# Altium PCB TimeDrive.PcbDoc (part 2 of 4) (continued)
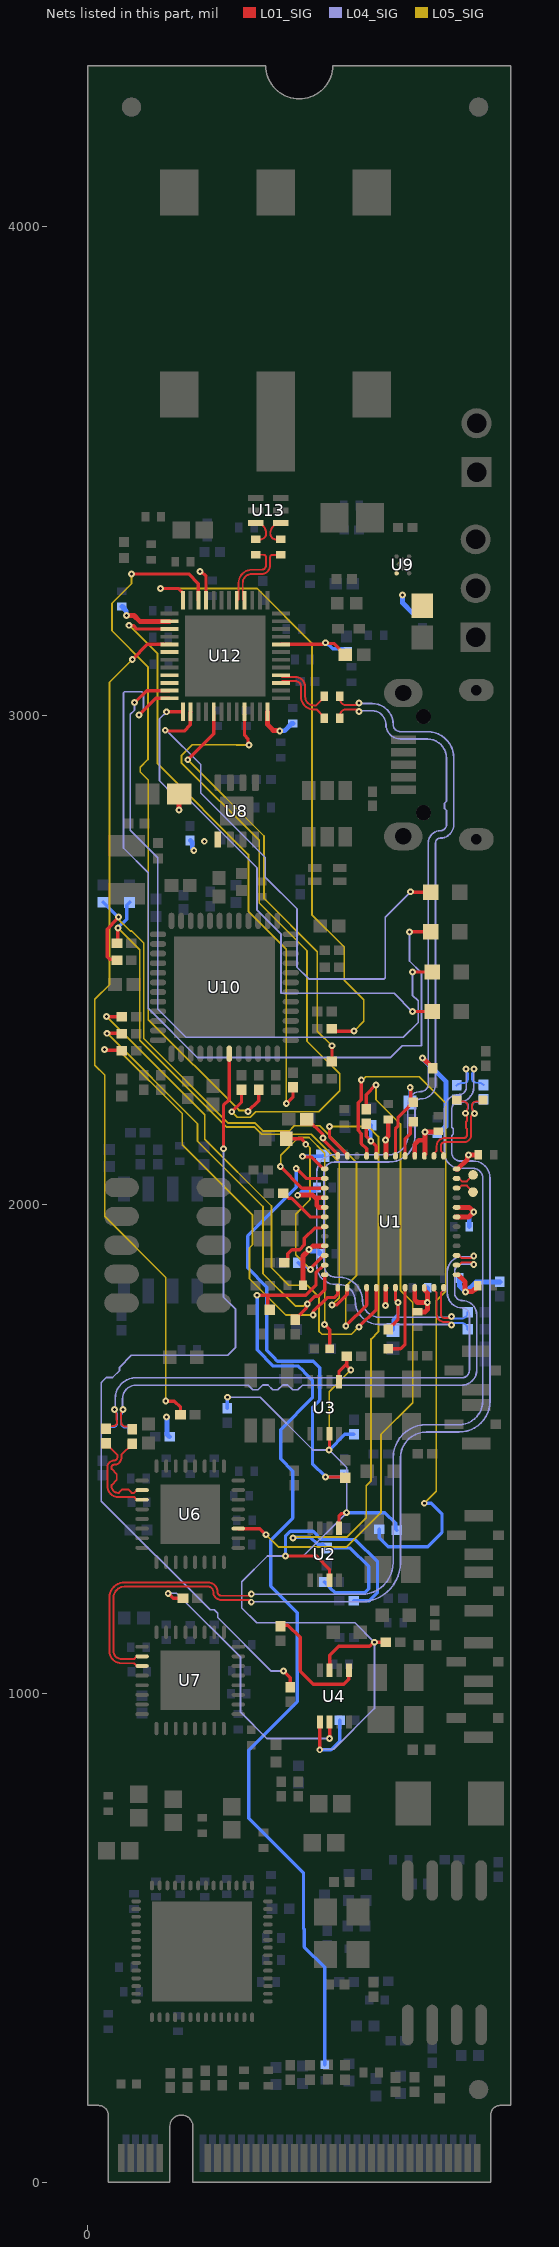
[diagram p8: the nets of this part, all layers, seen from the top]
## Part data (continued)
U10: library part CMP-06276-000052-1, "IC MCU 32BIT 256KB FLASH 48QFN", Case/Package=QFN, Frequency=48MHz, Max Operating Temperature=85°C, Min Operating Temperature=-40°C, Core Architecture=ARM, Interface=I2C, Memory Size=256KB, Memory Type=FLASH, Number of I/Os=38, Oscillator Type=Internal, Packaging=Tray, Peripherals="Brown-out Detect/Reset"
U11: library part CMP-2100-03583-1, "2-Kbit (256 x 8), 2-wire Serial EEPROM with a Factory-Programmed EUI-64(TM)Address Plus an Embedded Unique 128-bit Serial Number, 1.7 to 5.5 V, -40 to 85 degC, 5-Pin SOT23 (5TS1), Tape and Reel", Case/Package=SOT-23, Frequency=1MHz, Manufacturer=Atmel, Max Operating Temperature=85degC, Max Supply Voltage=5.5V, Min Operating Temperature=-40degC, Min Supply Voltage=1.7V, Nominal Supply Current=3mA, Package Description="5-Pin Plastic Thin Shrink Small Outline Package, Body 2.9 x 1.6 mm, Pitch 0.95 mm", Package Quantity=5000, Package Reference=5TS1, Datasheet URL=http://www.atmel.com/Images/Atmel-8807-SEEPROM-AT24MAC402-602-Datasheet.pdf, Datasheet Version="Rev. 8808E, 01/2015", Manufacturer URL=http://www.atmel.com/, Max Frequency=1MHz, Mount=SurfaceMount, Number of Pins=5, Packaging=TapeandReel, Radiation Hardening=No, RoHSCompliant=true
U13: library part CMP-2000-07459-1, "Multilayer Balun, 3000 to 8000 MHz, -40 to 85 degC, 6-Pin SMD, RoHS, Tape and Reel", Case Code (Imperial)=0805, Case Code (Metric)=2012, Manufacturer=TDK, Max Operating Temperature=85degC, Min Operating Temperature=-40degC, Package Description="6-Pin Surface Mount Device, Body 2 x 1.25 mm, Pitch 0.65 mm", Package Quantity=1, Case\/Package=0805, Datasheet URL=https://product.tdk.com/info/en/documents/data_sheet/rf_balun_hhm1595a1_en.pdf, Datasheet Version=04/2015, Impedance=100Ohm, Insertion Loss=1.5dB, Manufacturer URL=http://www.tdk.com/, Mounting Technology=SurfaceMount, Number of Pins=6, Package Reference=HHM1595A1, Packaging=TapeandReel, Radiation Hardening=No, RoHSCompliant=true, Termination=SMD/SMT
U15: library part CMP-0357-00138-1, "16 Mb (x1/x2) Serial NOR Flash Memory with Dual I/O, 75 MHz, 2.3 to 3.6 V, 8-pin SO8 Wide (MW), Tube", Manufacturer=Micron, Package="SO8 WideÂ", Voltage=2.3V-3.6VÂ, Applications=EmbeddedÂ, ComponentLink1Description="Manufacturer URL", ComponentLink1URL=http://www.micron.com/, ComponentLink2Description=Datasheet, ComponentLink2URL=http://www.micron.com/~/media/Documents/Products/Data%20Sheet/NOR%20Flash/Serial%20NOR/M25P/M25P16.pdf, ComponentLink3Description="Package Specification", ComponentLink3URL=http://www.micron.com/~/media/Documents/Products/Data%20Sheet/NOR%20Flash/Serial%20NOR/M25P/M25P16.pdf, DatasheetVersion="Rev. 8", Density=16MbÂ, Mounting Technology="Surface Mount", PackageDescription="8-Pin SO Wide, 5.62 X 6.05 mm, Pitch 1.27 mm", PackageReference=MICT-MW-8, PackageVersion="Rev 8", Part Family=M25PXÂ, Part Status=ProductionÂ, PartNumber=M25PX16-VMW6G, RoHS=YesÂ, Speed="75 MHzÂ", Type="Dual I/OÂ", Width=x1/x2Â
U16: library part CMP-10118-000002-1, "IC INTERFACE SPECIALIZED 8SO", Case/Package=SO, Low Level Output Current=6mA, Max Frequency=400kHz, Max Operating Temperature=85°C, Max Supply Current=65uA, Max Supply Voltage=5.5V, Min Operating Temperature=-40°C, Min Supply Voltage=2.3V, On-State Resistance=55R, Operating Supply Voltage=5V, Package Quantity=1, Power Dissipation=400mW, Contact Plating=Gold, Height=1.45mm, Interface=I2C, Lead Free="Lead Free", Length=5mm, Logic Function=Multiplexer, Mount="Surface Mount", Number of Input Lines=2, Number Of Inputs=2, Number of Output Lines=1, Number Of Outputs=1, Number of Pins=8, Packaging="Tape and Reel", Propagation Delay=0.3ns, Quiescent Current=65uA, Radiation Hardening=No, Weight=0.01787oz, Width=4mm
Y1: library part CMP-06858-000005-1, "CRYSTAL 32.0000MHZ 10PF SMD", Case/Package=SMD/SMT, ESR (Equivalent Series Resistance)=100R, Frequency=52MHz, Frequency Stability=10ppm, Load Capacitance=10pF, Max Operating Temperature=70°C, Min Operating Temperature=-20°C, Package Quantity=3000, Contact Plating=Gold, Frequency Tolerance=10ppm, Height=0.022inch, Length=0.079inch, Mount="Surface Mount", Packaging="Tape and Reel", Series Resistance=100R, Termination=SMD/SMT, Tolerance=10ppm, Width=0.063inch
Y2: library part CMP-2000-05733-2, "CRYSTAL 25.0000MHZ 18PF SMD", Frequency=25MHz, Load Capacitance=18pF, Manufacturer=Abracon, Package=ABM8G, Temperature="-40°C to +85°C", Temperature Range High=+85°C, Temperature Range Low=-40°C, Tolerance=20ppm, Automotive=No, Category=Crys, ComponentLink2Description=Datasheet, ComponentLink2URL=https://abracon.com/Resonators/ABM8G.pdf, Device Class L1="Passive Components", Device Class L2="Crystals / Oscillators", Device Class L3=Crystals, Digikey Description="CRYSTAL 25.0000MHZ 18PF SMD", Esr=60Ω, Height=1mm, Lead Free=Yes, Manufacturer Part Number=ABM8G-25.000MHZ-18-D2Y-T, Mouser Description="Crystals 25.000MHz 18pF 30ppm -40C +85C", Octopart=https://octopart.com/abm8g-25.000mhz-18-d2y-t-abracon-12676602, RoHS=TRUE, Series=ABM8G, Stability=30ppm
Y3: library part CMP-0447-00001-3, "CRYSTAL 32.7680KHZ 12.5PF SMD", Case/Package=CSMD, ESR (Equivalent Series Resistance)=70kR, Frequency=32.768kHz, Frequency Tolerance=20ppm, Load Capacitance=12.5pF, Max Operating Temperature=85°C, Min Operating Temperature=-40°C, Operating Frequency="32.768 kHz", Package Quantity=3000, Depth=1.5mm, Height=0.035inch, Lead Free="Lead Free", Length=3.2mm, Number of Pins=2, Packaging="Tape and Reel", Radiation Hardening=No, REACH SVHC="No SVHC", RoHS Compliant=Yes, Series=ABS07, Series Resistance=70kR, Termination=SMD/SMT, Tolerance=20ppm, Width=0.061inch

## Free pads (board coordinates)
  round 39.37 smd mask+9.84: FID1(90,4245) FID2(800,4245) FID3(800,190) FID3(800,190)
  round 39.37 smd far side mask+9.84: FID4(90,4245) FID5(800,4245) FID6(800,190)

## Via types
v1: diameter 14, hole 6, L01_SIG to L08_SIG, 509 vias
v2: diameter 19.68, hole 7.87, L01_SIG to L08_SIG, tented both sides, 103 vias
v3: diameter 23.62, hole 11.81, L01_SIG to L08_SIG, tented both sides, 25 vias

## Nets (pads, with @x,y where several pads share a name; then routed paths per layer and width w, separated by ;. In a path a pad name is that pad's centre, name@x,y a point inside that pad or via, vN(x,y) a via of type N, cw(c..) or ccw(c..) an arc to the next point about the centre after c; other vN are vias at no path point)
1PPS_0_P: R41.2 U12.29 | length 1748.5
  L01_SIG w6.8: v1(91.6,3115) 122.57,3145.97 U12.29@167.57,3145.97 ; v1(160.05,1598.15) 177.85,1598.15 190.24,1585.76 R41.2@190.24,1570
  L05_SIG w3.6: v1(91.6,3115) 45,3068.4 45,2450 15,2420 15,2285.26 35,2265.26 35,1976 160.05,1850.95 v1(160.05,1598.15)
1PPS_2_P: R28.1 U6.19 | length 1327.6
  L01_SIG w6.8: U6.19@308.43,1337.4 352.6,1337.4 v1(365,1325) ; R28.1@570,2194.76 570,2225 v1(590,2245)
  L05_SIG w3.6: v1(365,1325) 390,1300 530,1300 600,1370 600,1530 665,1595 665,1800 640,1825 640,2165 590,2215 v1(590,2245)
1PPS_3_P: R47.2 U4.2 | length 587
  L01_SIG w6.8: v1(165,1205) 175,1195 R47.2@195.24,1195 ; U4.2@495.16,941.85 v1(495.24,908.1) v1(495.24,908.1)
  L04_SIG w3.6: v1(165,1205) 182,1205 313,1074 313,962 366.9,908.1 v1(495.24,908.1)
1PPS_4_P: R51.2 U4.5 | length 254.2
  L01_SIG w6.8: R51.2@394.68,1137.91 396.77,1140 410,1140 435,1115 435,1046 462,1019 524,1019 534.53,1029.53 U4.5@534.53,1048.15
1PPS_5_P: R53.2 U10.19 | length 1727.5
  L01_SIG w6.8: v1(278.07,2114.43) 278.07,2202.98 289.84,2214.75 U10.19@289.84,2308.86 ; v1(400.86,1046.01) 408.67,1038.2 414.68,1032.18 R53.2@414.68,1012.91
  L04_SIG w3.6: v1(278.07,2114.43) 278.07,1810.71 302.91,1785.87 302.91,1707.99 286.72,1691.8 89.7,1691.8 65.58,1667.67 65.58,1660.92 51.04,1646.38 38.19,1646.38 29.2,1637.39 29.2,1636.95 28.28,1636.03 28.28,1393.64 250.69,1171.23 259.32,1171.23 266.23,1164.32 266.23,1155.69 375.91,1046.01 v1(400.86,1046.01)
BUF_OE_N: R17.2 R18.2 R24.2 R26.2 R60.2 R129.1 R141.2 U2.1 U2.7 U3.1 U3.7 U4.1 U4.7 | length 2671
  L01_SIG w6.8: v1(404.85,1281.48) 467.52,1281.48 494.84,1254.16 U2.7@494.84,1231.85 ; v1(475,885) 475,941.85 U4.1@475.47,941.85 ; v1(494.18,1498.18) 494.84,1498.18 U3.7@494.84,1531.85 ; U4.7@495.16,1048.15 495.16,1078.16 513.99,1096.99 576.84,1096.99 584.85,1105 R141.2@610.24,1105 ; U2.1@514.53,1338.15 514.53,1363.55 519.11,1368.13 528.13,1368.13 v1(530,1370) ; U3.1@514.53,1638.15 514.53,1659.53 530,1675 530,1689.76 R24.2@530.24,1690 530.24,1670.21 v1(538.53,1661.92)
  L04_SIG w3.6: v1(286.01,1606.04) 353.4,1606.04 461.25,1498.18 v1(494.18,1498.18) 530,1462.36 v1(530,1370) 441.48,1281.48 v1(404.85,1281.48) 368.1,1281.48 315.63,1229.02 315.63,1175.06 346.02,1144.68 547.12,1144.68 v1(586.79,1105) 586.79,969.42 503.56,886.19 476.19,886.19 v1(475,885)
  L05_SIG w3.6: v1(494.18,1498.18) 494.18,1617.57 v1(538.53,1661.92)
  L08_SIG w6.8: R129.1@285.5,1583.41 286.01,1583.92 v1(286.01,1606.04) ; v1(404.85,1281.48) 404.85,1322 414.98,1332.12 461.19,1332.12 478.31,1315 547.93,1315 593.24,1269.69 593.24,1207.26 575.98,1190 R18.2@544.76,1190 ; v1(475,885) 498,885 515.95,902.95 R60.2@515.95,945.54 ; v1(494.18,1498.18) 526.24,1530.24 R26.2@545,1530.24 ; v1(530,1370) 608.35,1370 630.28,1348.07 630.28,1336.37 R17.2@632.31,1334.34
DPLL_9513_1PPS_0_N: R37.2 U6.3 | length 195
  L01_SIG w4: R37.2@37.82,1512.14 37.82,1511.16 60.9,1488.07 60.9,1482.94 cw(c54.69,1482.94) 54.69,1476.72 ccw(c54.69,1462.61) 40.57,1462.61 40.57,1424.37 ccw(c62.9,1424.37) 62.9,1402.05 95.11,1402.05 100.7,1396.46 U6.3@111.57,1396.46
DPLL_9513_1PPS_0_P: R34.2 U6.2 | length 194.7
  L01_SIG w4: R34.2@91.2,1511.13 91.2,1510.15 69.4,1488.35 69.4,1482.94 cw(c54.69,1482.94) 54.69,1468.22 ccw(c54.69,1462.61) 49.07,1462.61 49.07,1459.66 59.72,1449.01 59.72,1437.01 49.07,1426.37 49.07,1424.37 ccw(c62.9,1424.37) 62.07,1410.57 ccw(c62.9,1424.37) 62.9,1410.55 64.07,1410.55 71.07,1417.55 83.07,1417.55 90.07,1410.55 95.11,1410.55 100.7,1416.14 U6.2@111.57,1416.14
DPLL_9513_1PPS_1_N: R138.2 U7.3 | length 2121.3
  L01_SIG w4: U7.3@111.5,1056.46 100.62,1056.46 95.03,1062.05 69.48,1062.05 cw(c69.48,1086.77) 44.75,1086.77 44.75,1196.05 cw(c75.99,1196.05) 75.99,1227.29 246.36,1227.29 cw(c246.36,1207.87) 265.77,1207.87 ccw(c273.6,1207.87) 273.6,1200.05 331.17,1200.05 ccw(c331.17,1203.88) v1(335,1203.88)
  L04_SIG w3.5: v1(335,1203.88) ccw(c336,1203.88) 336,1202.88 559.88,1202.88 ccw(c559.88,1268.04) 625.05,1268.04 625.05,1482.1 cw(c692.8,1482.1) 692.8,1549.85 759.65,1549.85 ccw(c759.65,1598.59) 808.4,1598.59 808.4,2054.34 ccw(c788.42,2054.34) 788.42,2074.32 762.25,2074.32 cw(c762.25,2106.57) 730,2106.57 730,2194.99 cw(c760.46,2194.99) 760.46,2225.44 ccw(c760.46,2239.76) 774.78,2239.76 774.78,2276.3 ccw(c773.78,2276.3) v1(773.78,2277.3)
  L08_SIG w4: R138.2@755,2244.18 cw(c766.62,2232.57) 766.62,2248.99 770.11,2248.99 ccw(c770.11,2256.99) 775.76,2251.33 ccw(c770.11,2256.99) 778.11,2256.99 778.11,2267.21 ccw(c770.72,2267.21) 775.94,2272.43 775.69,2272.68 cw(c780.31,2277.3) v1(773.78,2277.3)
DPLL_9513_1PPS_1_P: R38.2 U7.2 | length 2121.1
  L01_SIG w4: U7.2@111.5,1076.14 100.62,1076.14 95.03,1070.55 69.48,1070.55 cw(c69.48,1086.77) 53.25,1086.77 53.25,1196.05 cw(c75.99,1196.05) 75.99,1218.79 246.36,1218.79 cw(c246.36,1207.87) 257.27,1207.87 ccw(c273.6,1207.87) 273.6,1191.55 330.33,1191.55 cw(c330.33,1186.88) v1(335,1186.88)
  L04_SIG w3.5: v1(335,1186.88) cw(c336,1186.88) 336,1187.88 559.88,1187.88 ccw(c559.88,1268.04) 640.05,1268.04 640.05,1482.1 cw(c692.8,1482.1) 692.8,1534.85 759.65,1534.85 ccw(c759.65,1598.59) 823.4,1598.59 823.4,2054.34 ccw(c788.42,2054.34) 788.42,2089.32 762.25,2089.32 cw(c762.25,2106.57) 745,2106.57 745,2127.85 745,2141.15 748.29,2144.44 748.29,2154.94 745,2158.23 745,2159.98 745,2194.99 cw(c760.46,2194.99) 760.46,2210.44 ccw(c760.46,2239.76) 789.78,2239.76 789.78,2276.3 cw(c790.78,2276.3) v1(790.78,2277.3)
  L08_SIG w4: v1(790.78,2277.3) cw(c784.25,2277.3) 788.87,2272.68 788.69,2272.51 ccw(c793.73,2267.47) 786.61,2267.47 786.61,2257.35 ccw(c794.61,2257.35) 788.95,2251.7 ccw(c794.61,2257.35) 794.61,2249.35 798.92,2249.35 cw(c798.92,2233.69) R38.2@810,2244.76
DPLL_CSB: R64.1 U1.5 | length 1062
  L01_SIG w6.8: v1(39.07,2384.64) 70.19,2384.64 R64.1@70.24,2384.68 ; v1(555,1750) 590.47,1785.47 U1.5@590.47,1830.16
  L05_SIG w3.6: v1(39.07,2384.64) 240,2183.71 240,2133.52 376.21,1997.31 376.21,1871.14 411.94,1835.41 449.59,1835.41 473.2,1811.8 473.2,1779.34 473.41,1779.13 473.41,1769.35 473.2,1769.14 473.2,1741.31 479.51,1735 540,1735 v1(555,1750)
DPLL_LDO0: C15.2 C17.1 U1.7 | length 156.2
  L01_SIG w6.8: C15.2@615,1744.68 635,1764.68 v1(635,1800) 629.84,1805.16 U1.7@629.84,1830.16
  L08_SIG w6.8: C17.1@625,1743.84 625,1765 635,1775 v1(635,1800)
DPLL_LDO1: C16.2 C18.1 U1.30 | length 188.9
  L01_SIG w6.8: U1.30@629.84,2099.84 629.84,2154.84 635,2160 635,2178.04 C16.2@666.16,2209.2 661.38,2213.99 661.38,2238.62 v1(660,2240)
  L08_SIG w6.8: C18.1@660,2208.84 v1(660,2240)
DPLL_LF0: C15.1 U1.8 | length 154
  L01_SIG w6.8: C15.1@615,1705.32 640.32,1705.32 649.53,1714.53 U1.8@649.53,1830.16
DPLL_LF1: C16.1 U1.29 | length 76.9
  L01_SIG w6.8: U1.29@649.53,2099.84 649.53,2134.53 660,2145 660,2163.67 C16.1@666.16,2169.83
DPLL_M0: R28.2 R29.2 U1.32 | length 106.2
  L01_SIG w6.8: R28.2@570,2165.24 570,2139.47 v1(579.45,2130) ; v1@580,2130 590.47,2119.53 U1.32@590.47,2099.84
  L08_SIG w6.8: v1(579.45,2130) 579.45,2161.73 R29.2@580,2162.28
DPLL_M1: R20.1 U1.33 | length 1448
  L01_SIG w6.8: v1(560,2255) 560,2214.48 553.76,2208.24 553.76,2151.76 560,2145.52 560,2125 570.79,2114.21 U1.33@570.79,2099.84
  L05_SIG w3.6: v1(560,2255) 562.64,2255 569.42,2261.78 678.22,2261.78 732.84,2207.16 732.84,1822.84 713.28,1803.28 713.28,1413.77 v1(688.84,1389.32)
  L08_SIG w6.8: R20.1@596.78,1336.03 596.78,1318.57 615.35,1300 695.67,1300 725,1329.33 725,1367.52 703.2,1389.32 v1(688.84,1389.32)
DPLL_M2: R16.1 R19.2 U1.35 | length 1470
  L01_SIG w6.8: v1(495,2160) 495,2138.39 531.42,2101.97 U1.35@531.42,2099.84
  L05_SIG w3.6: v1(420.26,1318.46) 421.8,1320 530,1320 570,1360 570,1425 580,1435 580,1725 595,1740 595,2139.2 574.2,2160 v1(495,2160)
  L08_SIG w6.8: v1(420.26,1318.46) 421.64,1319.84 443.99,1319.84 444.15,1320 455.87,1320 470.72,1305.14 481.55,1305.14 R16.1@488.98,1297.72 537.28,1297.72 575,1260 575,1214.21 567.03,1206.24 528.71,1206.24 506.19,1206.24 496.73,1215.7 496.73,1216.87 485.42,1228.19 R19.2@484.43,1228.19
DPLL_M3: R7.1 U1.36 | length 102.7
  L01_SIG w6.8: R7.1@449.69,2175 481.65,2143.04 v1(481.6,2136.49) v1(481.6,2136.49) ; v1@481.65,2138.35 482.98,2137.02 482.98,2131.55 510.74,2103.79 510.74,2100.84 U1.36@511.73,2099.84
DPLL_M4: R8.1 U1.37 | length 98
  L01_SIG w6.8: v1(439.77,2098.96) 441.14,2097.59 457.89,2097.59 482.2,2073.27 U1.37@485.16,2073.27
  L08_SIG w6.8: v1(439.77,2098.96) 480.26,2098.96 R8.1@481.3,2100
DPLL_M5: R66.1 U1.1 | length 896.6
  L01_SIG w6.8: v1(34.48,2317.04) 35.66,2315.86 69.06,2315.86 R66.1@70.24,2314.68 ; v1(461.61,1774.24) 461.61,1781.61 490,1810 505,1810 511.73,1816.73 U1.1@511.73,1830.16
  L05_SIG w3.6: v1(34.48,2317.04) 62.9,2317.04 193.58,2186.37 193.58,2122.22 337.69,1978.11 337.69,1918.43 331.25,1912 331.25,1848.75 405.76,1774.24 v1(461.61,1774.24)
DPLL_OUT_0A_N: C26.2 R33.1 U1.12 | length 1998.5
  L01_SIG w4: C26.2@515.75,3040 515.75,3035.78 ccw(c529.78,3035.78) 529.78,3021.75 550.75,3021.75 ccw(c550.75,3026) v1(555,3026) ; U1.12@728.27,1830.16 728.27,1825.62 722.68,1820.03 722.68,1775.64 ccw(c729.93,1775.64) 729.93,1768.38 742.03,1768.38 ccw(c742.03,1771) v1(744.65,1771)
  L04_SIG w3.5: v1(555,3026) ccw(c555.75,3026) 555.75,3025.25 581.9,3025.25 cw(c581.9,2981.82) 625.34,2981.82 ccw(c639.64,2981.82) 639.64,2967.52 695.24,2967.52 cw(c695.24,2913.49) 749.26,2913.49 749.26,2777.62 cw(c721.45,2777.62) 721.45,2749.8 ccw(c721.45,2740.28) 711.92,2740.28 711.92,2246.8 cw(c681.61,2246.8) 681.61,2216.48 ccw(c681.61,2204.64) 669.76,2204.64 669.76,2139.76 cw(c617.2,2139.76) 617.2,2087.2 504.92,2087.2 ccw(c504.92,2066.12) 483.84,2066.12 483.84,1876.02 ccw(c508.26,1876.02) 508.26,1851.6 514.38,1851.6 cw(c514.38,1803.6) 562.38,1803.6 ccw(c595.98,1803.6) 595.98,1770 743.65,1770 ccw(c743.65,1771) v1(744.65,1771)
  L08_SIG w4: v1(744.65,1771) ccw(c748.9,1771) 748.9,1766.75 764.03,1766.75 ccw(c764.03,1780) R33.1@777.28,1780
DPLL_OUT_0A_P: C25.2 R32.2 U1.11 | length 2011.2
  L01_SIG w4: C25.2@515.75,2995 515.75,2999.22 cw(c529.78,2999.22) 529.78,3013.25 550.75,3013.25 cw(c550.75,3009) v1(555,3009) ; U1.11@708.58,1830.16 708.58,1825.62 714.18,1820.03 714.18,1775.64 ccw(c729.93,1775.64) 729.93,1759.88 738.77,1759.88 cw(c738.77,1758) v1@740.65,1758
  L04_SIG w3.5: v1(555,3009) cw(c556.25,3009) 556.25,3010.25 581.9,3010.25 cw(c581.9,2981.82) 610.34,2981.82 ccw(c639.64,2981.82) 639.64,2952.52 695.24,2952.52 cw(c695.24,2913.49) 734.26,2913.49 734.26,2853.42 734.26,2825.14 730.13,2821.01 730.13,2810.51 734.26,2806.38 734.26,2804.63 734.26,2777.62 cw(c721.45,2777.62) 721.45,2764.8 ccw(c721.45,2740.28) 696.92,2740.28 696.92,2246.8 cw(c681.61,2246.8) 681.61,2231.48 ccw(c681.61,2204.64) 654.76,2204.64 654.76,2139.76 cw(c617.2,2139.76) 617.2,2102.2 504.92,2102.2 ccw(c504.92,2066.12) 468.84,2066.12 468.84,1876.02 ccw(c508.26,1876.02) 508.26,1836.6 514.38,1836.6 cw(c514.38,1803.6) 547.38,1803.6 ccw(c595.98,1803.6) 595.98,1755 743.65,1755 cw(c743.65,1754) v1(744.65,1754)
  L08_SIG w4: v1(744.65,1754) cw(c748.9,1754) 748.9,1758.25 764.03,1758.25 cw(c764.03,1745) R32.2@777.28,1745
DPLL_OUT_0B_N: R36.1 R37.1 U1.15 | length 1228.8
  L01_SIG w4: R37.1@37.82,1541.67 cw(c50.69,1528.79) 50.69,1547 52.47,1547 ccw(c52.47,1555) 58.13,1549.34 ccw(c52.47,1555) 60.47,1555 60.47,1557.64 ccw(c58.85,1557.64) 60,1558.79 cw(c61.14,1559.93) 59.52,1559.93 59.52,1570.71 ccw(c51.55,1570.71) 57.19,1576.36 cw(c61.81,1580.97) v1(55.27,1580.97) ; U1.15@754.84,1896.1 759.38,1896.1 764.97,1890.51 785.75,1890.51 ccw(c785.75,1894.76) v1(790,1894.76)
  L04_SIG w3.5: v1(55.27,1580.97) ccw(c55.27,1582.18) 56.48,1582.18 56.48,1603.18 cw(c99.13,1603.18) 99.13,1645.84 99.2,1645.84 739.55,1645.84 765.47,1645.84 ccw(c765.47,1661.48) 781.12,1661.48 781.12,1774.17 ccw(c766.46,1774.17) 766.46,1788.83 cw(c766.46,1819.34) 735.95,1819.34 735.95,1862.84 cw(c766.87,1862.84) 766.87,1893.76 789,1893.76 ccw(c789,1894.76) v1(790,1894.76)
  L08_SIG w4: R36.1@37.82,1541.67 cw(c45.5,1533.99) 45.5,1544.85 52.47,1544.85 ccw(c52.47,1552.85) 58.13,1547.19 ccw(c52.47,1552.85) 60.47,1552.85 60.47,1556.16 60.26,1556.37 60.26,1570.93 ccw(c54.59,1570.93) 58.61,1574.93 v1@57.19,1576.36
DPLL_OUT_0B_P: R34.1 R35.1 U1.14 | length 1229.2
  L01_SIG w4: v1(72.27,1580.97) cw(c65.74,1580.97) 70.36,1576.36 ccw(c76,1570.71) 68.02,1570.71 68.02,1563.45 ccw(c69.64,1563.45) 68.5,1562.31 cw(c67.35,1561.16) 68.97,1561.16 68.97,1554.41 ccw(c76.97,1554.41) 71.31,1548.75 ccw(c76.97,1554.41) 76.97,1546.41 77.32,1546.41 cw(c77.32,1526.78) R34.1@91.2,1540.66 ; U1.14@754.84,1876.42 759.38,1876.42 764.97,1882.01 785.75,1882.01 cw(c785.75,1877.76) v1(790,1877.76)
  L04_SIG w3.5: v1(72.27,1580.97) cw(c72.27,1581.77) 71.48,1581.77 71.48,1603.18 cw(c99.13,1603.18) 99.13,1630.84 326.98,1630.84 328.73,1630.84 338.22,1621.35 348.72,1621.35 358.56,1631.19 369.06,1631.19 378.9,1621.35 389.4,1621.35 399.24,1631.19 409.74,1631.19 419.58,1621.35 430.08,1621.35 439.57,1630.84 449.57,1630.84 739.55,1630.84 765.47,1630.84 ccw(c765.47,1661.48) 796.12,1661.48 796.12,1774.17 ccw(c766.46,1774.17) 766.46,1803.83 cw(c766.46,1819.34) 750.95,1819.34 750.95,1862.84 cw(c766.87,1862.84) 766.87,1878.76 789,1878.76 cw(c789,1877.76) v1(790,1877.76)
  L08_SIG w4: v1@70.36,1576.36 70.36,1574.78 cw(c64.91,1574.78) 68.76,1570.93 68.76,1559.89 68.97,1559.68 68.97,1552.26 ccw(c76.97,1552.26) 71.31,1546.6 ccw(c76.97,1552.26) 76.97,1544.26 82.52,1544.26 cw(c82.52,1531.98) R35.1@91.2,1540.66
DPLL_OUT_1A_N: R40.1 R138.1 U1.26 | length 236
  L01_SIG w4: U1.26@708.58,2099.84 708.58,2104.38 714.18,2109.97 714.18,2120.2 cw(c730.32,2120.2) 730.32,2136.35 769.57,2136.35 ccw(c769.57,2142.91) 776.14,2142.91 776.14,2153.06 776.14,2155.06 773.97,2157.23 773.97,2169.23 776.14,2171.4 776.14,2173.4 776.14,2183.62 ccw(c772.79,2183.62) v1(772.79,2186.96) cw(c779.33,2186.96) 774.71,2191.58 ccw(c767.49,2198.8) 777.7,2198.8 777.7,2202.6 ccw(c769.7,2202.6) 775.35,2208.25 ccw(c769.7,2202.6) 769.7,2210.6 763.34,2210.6 cw(c763.34,2222.07) R40.1@755.23,2213.96
  L08_SIG w4: R138.1@754.97,2214.62 ccw(c766.05,2225.69) 766.05,2210.03 770.36,2210.03 cw(c770.36,2202.03) 776.02,2207.68 cw(c770.36,2202.03) 778.36,2202.03 778.36,2200.29 cw(c766.17,2200.29) 774.79,2191.67 774.71,2191.58 ccw(c779.33,2186.96) v1(772.79,2186.96)
DPLL_OUT_1A_P: R38.1 R39.1 U1.25 | length 236.6
  L01_SIG w4: U1.25@728.27,2099.84 728.27,2104.38 722.68,2109.97 722.68,2120.2 cw(c730.32,2120.2) 730.32,2127.85 769.57,2127.85 ccw(c769.57,2142.91) 784.64,2142.91 784.64,2179.75 cw(c791.45,2179.75) v1(791.45,2186.56) ccw(c784.92,2186.56) 789.54,2191.18 cw(c797.62,2199.26) 786.2,2199.26 786.2,2202.64 cw(c794.2,2202.64) 788.54,2208.3 cw(c794.2,2202.64) 794.2,2210.64 800.43,2210.64 ccw(c800.43,2222.24) R39.1@808.63,2214.04
  L08_SIG w4: v1(791.45,2186.56) ccw(c784.92,2186.56) 789.54,2191.18 cw(c796.01,2197.65) 786.86,2197.65 786.86,2202.39 cw(c794.86,2202.39) 789.21,2208.05 cw(c794.86,2202.39) 794.86,2210.39 798.3,2210.39 ccw(c798.3,2226.93) R38.1@810,2215.24
DPLL_OUT_1B_N: TP1.1 U1.23 | length 42.2
  L01_SIG w4: U1.23@754.84,2053.58 759.38,2053.58 765.43,2047.53 776.02,2047.53 788.54,2060.06 TP1.1@788.54,2060.83
DPLL_OUT_1B_P: TP2.1 U1.22 | length 41.7
  L01_SIG w4: U1.22@754.84,2033.9 759.38,2033.9 764.5,2039.03 775.92,2039.03 788.45,2026.5 TP2.1@788.45,2025.72
DPLL_REFA: R30.2 R31.2 U1.47 | length 2044.2
  L01_SIG w6.8: v1(346.89,1814.76) 347.16,1815.03 358.69,1815.03 ; 358.92,1814.8 368.51,1814.8 ; R31.2@372.72,1785 368.51,1789.21 368.51,1814.8 ; U1.47@485.16,1875.43 482.04,1875.43 467.14,1860.53 467.14,1835.31 454.85,1823.02 454.85,1822.83 446.82,1814.8 368.51,1814.8
  L08_SIG w6.8: v1(346.89,1814.76) 346.89,1703.11 380,1670 430.89,1670 440.86,1660.03 441.05,1660.03 444.8,1656.28 444.8,1656.09 460,1640.89 460,1605 395,1540 395,1480 420,1455 420,1359.1 375,1314.1 375,1220 429.29,1165.71 429.29,983.7 330,884.42 330,745 441.59,633.41 441.59,519.8 443.47,517.93 443.47,481.53 485,440 R30.2@485,240.75
DPLL_REFAA: R139.1 R140.2 U1.46 | length 403.4
  L01_SIG w6.8: R139.1@406.65,2135 438.93,2135 438.93,2132.85 446.33,2125.44 v1(446.33,2123.49) ; v1(455.75,1867.58) 455.75,1868.82 482.45,1895.52 U1.46@484.76,1895.52
  L05_SIG w3.6: v1(446.33,2123.49) 447.6,2123.49 455,2116.09 455,2010 425.73,1980.73 425.73,1897.6 v1(455.75,1867.58)
  L08_SIG w6.8: R140.2@430.97,1881.33 438.4,1873.91 447.48,1873.91 453.8,1867.58 v1(455.75,1867.58)
DPLL_REFB: R23.1 R25.2 U1.38 | length 942
  L01_SIG w6.8: v1(426.78,2074.32) 447.51,2053.58 U1.38@485.16,2053.58 ; v1(486.91,1443.03) 525.62,1443.03 R23.1@527.03,1441.62
  L08_SIG w6.8: v1(426.78,2074.32) 426.78,2035.18 327.53,1935.93 327.53,1870.61 366.6,1831.55 366.6,1702.18 379.8,1688.98 379.8,1688.42 388.42,1679.8 461.48,1679.8 475,1666.28 475,1600 460,1585 460,1469.94 v1(486.91,1443.03) 518.78,1443.03 R25.2@525,1449.25
DPLL_REFBB: R27.1 U1.39 | length 655.4
  L01_SIG w6.8: v1(394.26,2078.31) 438.66,2033.9 U1.39@485.16,2033.9 ; v1(485,1755) 495.75,1744.25 R27.1@495.75,1705
  L05_SIG w3.6: v1(394.26,2078.31) 395.03,2079.08 395.03,2100.91 431.51,2137.39 453,2137.39 485.02,2105.38 v1(485,1755)
DPLL_RESETB: R12.1 R65.1 U1.48 | length 893.9
  L01_SIG w6.8: v1(40.01,2350.52) 69.4,2350.52 R65.1@70.24,2349.68 ; R12.1@425,1764.76 425,1765.75 447.66,1788.41 447.66,1795.27 464.82,1812.43 471.73,1812.43 485.16,1825.86 U1.48@485.16,1855.75
  L05_SIG w3.6: v1(40.01,2350.52) 225,2165.54 225,2130 358.69,1996.31 358.69,1859.13 424.94,1792.88 442.34,1792.88 446.59,1797.13 v1(449.53,1797.13)
DPLL_SCLK: R59.1 R70.1 U1.2 | length 1205.9
  L01_SIG w6.8: R59.1@60.24,2535 62.01,2536.77 v1(62.01,2566.03) ; v1(500,1795) 510,1795 531.42,1816.42 U1.2@531.42,1830.16
  L05_SIG w3.6: v1(62.01,2566.03) 106.85,2521.19 106.85,2336.3 284.43,2158.72 341.73,2158.72 356.6,2143.85 414.79,2143.85 414.93,2143.99 457.41,2143.99 515,2086.4 515,1810 v1(500,1795)
  L08_SIG w6.8: v1(62.01,2566.03) 80,2584.03 80,2612.33 R70.1@86.09,2618.43
DPLL_SDIO: R63.1 R72.1 U1.4 | length 1412.3
  L01_SIG w6.8: R63.1@60.24,2499.02 57.53,2501.72 45.52,2501.72 40,2507.24 40,2563.79 61.18,2584.96 v1@61.18,2586.17 ; v1(528.24,1752.12) 570.79,1794.67 U1.4@570.79,1829.17
  L05_SIG w3.6: v1@61.18,2586.17 87.67,2559.67 90.49,2559.67 115,2535.16 115,2339.92 288.01,2166.91 343.09,2166.91 359.55,2150.45 412.06,2150.45 423.18,2161.57 474.79,2161.57 550,2086.37 550,1855 528.24,1833.24 v1(528.24,1752.12)
  L08_SIG w6.8: R72.1@31.93,2618.59 32.01,2618.59 62.06,2588.54 v1(63.11,2588.54)
DPLL_VDD: C1.2 C2.2 C3.2 C6.2 C7.1 C8.2 C9.1 C10.1 C11.1 C12.2 C13.2 C14.2 C130.1 C131.1 R103.1 R107.1 R118.1 U1.6 U1.9 U1.10 U1.13 U1.19 U1.20 U1.24 U1.27 U1.28 U1.31 U1.40 U1.41 U1.45 U8.1 | length 1366.8
  L01_SIG w10: v1(186.88,2807.49) 186.88,2839.31 C130.1@187.57,2840 ; v1@428.94,2018.4 430.55,2020 460,2020 465.79,2014.21 ; C3.2@440.57,1835.32 440.57,1839.99 440.75,1840.16 440.75,1894.95 452.94,1907.14 v1(452.94,1908.22) ; v1@453.52,1907.64 453.52,1907.73 461.5,1915.71 485.08,1915.71 U1.45@485.16,1915.79 ; U1.41@485.16,1994.53 485.08,1994.61 472.81,1994.61 468.84,1998.57 468.84,2011.16 465.79,2014.21 ; U1.40@485.16,2014.21 465.79,2014.21 ; v1(609.61,2132.17) 609.61,2134.81 v1@610,2135.2 ; v1(609.73,1793.81) 609.94,1794.02 609.94,1828.96 U1.6@610.16,1829.17 ; U1.31@610.16,2099.84 610.16,2132.17 610,2132.17 v1@610,2135.2 ; C11.1@615,2174.25 615,2140.2 v1@610,2135.2 ; U1.9@669.21,1830.16 669.21,1805.79 675,1800 v1(695,1800) ; U1.28@669.21,2098.86 U1.28@669.21,2099.84 669.29,2099.92 669.29,2123.65 677.49,2131.85 687.76,2131.85 690.16,2134.24 ; C8.2@675,1780.75 690.75,1780.75 695,1785 v1(695,1800) ; v1(685.17,2299.96) 686.06,2299.96 705.94,2280.08 R118.1@705.94,2279.09 ; U1.10@688.9,1830.16 688.9,1825.69 695,1819.59 v1(695,1800) ; U1.27@688.98,2102.72 690.16,2103.9 690.16,2134.24 ; C9.1@715,2149.25 714.54,2148.8 690.8,2148.8 v1(690.34,2148.34) 690.16,2148.16 690.16,2134.24 ; U1.19@754.84,1974.84 779.84,1974.84 v1(790,1985) 780.47,1994.53 U1.20@754.84,1994.53 ; U1.24@754.84,2073.27 757.64,2073.27 776.57,2092.2 776.57,2101.05 778.13,2101.05 v1(778.89,2101.81) 799.45,2101.81 C7.1@799.45,2102.18 ; U1.13@757.72,1856.65 772.35,1842.02 772.35,1822.28 v1(773.12,1821.52) 773.68,1822.08 786.49,1822.08 790.56,1826.14 792.52,1826.14 798.27,1831.89 C12.2@798.27,1833.86
  L08_SIG w10: v1(161.6,1565.94) 162.37,1565.17 162.37,1530.15 167.21,1525.31 R107.1@167.77,1525.31 ; C131.1@210,2745.1 214.3,2740.8 214.3,2728.67 217.39,2725.57 v1(217.39,2724.49) ; v1(429.85,2019.3) 431.79,2019.3 441.05,2028.56 464.78,2028.56 469.25,2033.03 C1.2@469.25,2035 ; v1(452.94,1908.22) 454.02,1908.22 457.4,1904.84 471.38,1904.84 474.25,1901.97 C2.2@474.25,1900 ; v1(685.17,2299.96) 732.84,2252.29 732.84,2160.13 719.84,2147.13 692.63,2147.13 691.42,2148.34 v1(690.34,2148.34) ; v1(695,1800) 695.37,1800.37 695.37,1829.63 C6.2@695.75,1830 ; C13.2@760.75,1850 760.75,1833.89 v1(773.12,1821.52) 774.2,1821.52 794.84,1842.16 R103.1@843.44,1842.16 ; C14.2@780.75,1955 780.75,1975.34 790,1984.59 v1(790,1985)
  other v1: 238.88,2743.18
DPLL_XOA: R14.1 U1.42 | length 105.4
  L01_SIG w6.8: R14.1@399.97,2023.55 400.95,2023.55 411.64,2012.86 417.34,2012.86 455.35,1974.84 U1.42@485.16,1974.84
DPLL_XOB: R15.2 U1.43 | length 128.3
  L01_SIG w6.8: R15.2@402.43,1881.33 403.41,1881.33 409.85,1887.78 409.85,1899.63 418.21,1907.98 433.75,1907.98 443.46,1917.7 443.46,1931.4 464.27,1952.21 478.43,1952.21 481.38,1955.16 U1.43@485.16,1955.16
DW1000_38P4MHz_CLK_N: C26.1 U12.4 | length 141.2
  L01_SIG w4: U12.4@395.91,3082.98 ccw(c399.54,3082.98) 399.54,3079.35 425.39,3079.35 cw(c425.39,3059.59) 445.16,3059.59 445.16,3039.06 ccw(c462.82,3039.06) 462.82,3021.4 467.62,3021.4 484.25,3038.03 C26.1@484.25,3040
DW1000_38P4MHz_CLK_P: C25.1 U12.3 | length 140.9
  L01_SIG w4: U12.3@395.91,3067.23 cw(c399.54,3067.23) 399.54,3070.85 425.39,3070.85 cw(c425.39,3059.59) 436.66,3059.59 436.66,3039.06 ccw(c462.82,3039.06) 462.82,3012.9 468.32,3012.9 484.25,2996.97 C25.1@484.25,2995
DW1000_CLKTUNE: C68.1 R91.1 U12.8 | length 195.7
  L01_SIG w6.8: U12.8@395.91,3145.97 481.44,3145.97 484.8,3149.33 v1(486.75,3149.33) 488.13,3147.95 503.66,3147.95 526.61,3125 R91.1@527.6,3125
  L08_SIG w6.8: v1(486.75,3149.33) 488.7,3149.33 501.19,3136.84 522.13,3136.84 530,3128.97 C68.1@530,3128.13
DW1000_EXTON: U12.21 | length 64.9
  L01_SIG w6.8: v1(230.22,3294.98) 232.59,3294.98 242.37,3285.21 U12.21@242.37,3236.52
DW1000_FORCEON: R71.1 U12.22 | length 1485.2
  L01_SIG w6.8: v1(90,3290) 207.05,3290 226.62,3270.43 U12.22@226.62,3236.52 ; v1(328.06,2190.76) 350,2212.7 R71.1@350,2234.92
  L05_SIG w3.6: v1(90,3290) 90,3269.98 50,3229.98 50,3173.75 123.5,3100.25 123.5,2910.65 107.88,2895.02 107.88,2884.98 124.24,2868.61 124.24,2378.48 309.98,2192.75 326.07,2192.75 v1(328.06,2190.76)
DW1000_GPIO0: D4.2 U12.38 | length 1112
  L01_SIG w6.8: v1(158.99,2970.34) 160.94,2970.34 162.44,2968.84 197.58,2968.84 210.34,2981.59 210.34,3007.64 U12.38@210.87,3008.17 ; v1(660.75,2640) 661.78,2638.97 D4.2@701.93,2638.97
  L04_SIG w3.6: v1(158.99,2970.34) 161.35,2970.34 231.46,2900.23 231.46,2842.13 363.49,2710.1 363.49,2669.82 428.37,2604.94 428.37,2486 452.54,2461.83 606.84,2461.83 608.95,2463.93 608.95,2588.2 v1(660.75,2640)
DW1000_GPIO1: D6.2 U12.37 | length 1055.4
  L01_SIG w6.8: v1(161.73,3008.11) 195.06,3008.11 U12.37@195.12,3008.17 ; v1(664.5,2394.93) 664.63,2395.06 D6.2@704.98,2395.06
  L04_SIG w3.6: v1(161.73,3008.11) 147.19,2993.57 147.19,2866.89 162.81,2851.27 184.18,2851.27 346.79,2688.65 346.79,2602.21 395.84,2553.16 395.84,2432.36 627.06,2432.36 v1(664.5,2394.93)
DW1000_GPIO2: D5.2 U12.36 | length 1731.1
  L01_SIG w6.8: v1(105.17,3001.4) 139.5,3035.73 U12.36@167.57,3035.73 ; v1(658.67,2557.89) 658.95,2558.18 D5.2@701.93,2558.18
  L04_SIG w3.6: v1(105.17,3001.4) 114.63,3010.86 114.63,3045.4 111.13,3048.9 75.58,3048.9 73.48,3046.79 73.48,2729.56 124.24,2678.8 124.24,2401.4 224.88,2300.77 619.17,2300.77 643.47,2325.07 682.9,2325.07 682.9,2474.07 658.67,2498.31 v1(658.67,2557.89)
DW1000_GPIO3: D9.2 U12.35 | length 1453.6
  L01_SIG w6.8: v1(96.07,3026.84) 120.71,3051.48 U12.35@167.57,3051.48 ; v1(664.5,2475.78) 705.42,2475.78 D9.2@705.49,2475.85
  L04_SIG w3.6: v1(96.07,3026.84) 96.07,3011.62 87.41,3002.96 87.41,2765.65 143.4,2709.66 143.4,2400.31 201.39,2342.32 646.12,2342.32 676.3,2372.5 676.3,2416.84 664.5,2428.64 v1(664.5,2475.78)
DW1000_GPIO4: U12.34
DW1000_GPIO5: U12.33
DW1000_GPIO6: U12.30
DW1000_IRQ: R69.1 U12.45 | length 1340.5
  L01_SIG w6.8: v1(295,2190) 315,2210 R69.1@315,2234.92 ; U12.45@321.11,3008.17 321.11,2960.02 328.13,2953 328.13,2941.87 v1(330,2940)
  L05_SIG w3.6: v1(295,2190) 306.37,2178.63 333.08,2178.63 344.45,2190 473,2190 516,2233 516,2267.51 449,2334.51 449,2519 351,2617 351,2745 192,2904 192,2918.48 214.27,2940.75 304.56,2940.75 305.31,2940 v1(330,2940)
DW1000_P1V8: C79.1 C80.1 C135.1 C136.1 U9.1 U12.26 U12.48 | length 271.8
  L01_SIG w10: v1(80,3205) 95,3205 106.79,3193.21 U12.26@167.57,3193.21 ; U12.48@368.35,3008.17 368.35,2981.6 379.72,2970.23 391.38,2970.23 v1(393.1,2968.51)
  L08_SIG w10: C80.1@70,3223.5 71.97,3223.5 74.84,3220.63 74.84,3218.66 79.23,3214.27 79.23,3205.77 v1(80,3205) ; v1(393.1,2968.51) 393.86,2969.28 403.06,2969.28 418.03,2984.25 C79.1@420,2984.25 ; v1(644.37,3246.82) 644.37,3230.63 665.1,3209.9 C136.1@685,3209.9
DW1000_RF_C_N: C82.2 U13.3 | length 61.7
  L01_SIG w4: C82.2@343.93,3360.82 353.41,3360.82 ccw(c353.41,3372.63) 365.22,3372.63 365.22,3373.6 ccw(c344.41,3373.6) U13.3@344.41,3394.41
DW1000_RF_C_P: C83.2 U13.4 | length 62.4
  L01_SIG w4: C83.2@395,3360.75 385.6,3360.75 cw(c385.6,3372.63) 373.72,3372.63 cw(c395.5,3372.63) 395.5,3394.41 U13.4@395.59,3394.41
DW1000_RF_N: C82.1 U12.17 | length 154.3
  L01_SIG w4: U12.17@305.36,3236.52 ccw(c305.36,3240.14) 308.98,3240.14 308.98,3271.55 cw(c336.08,3271.55) 336.08,3298.64 356.02,3298.64 ccw(c356.02,3307.63) 365.01,3307.63 365.01,3324.33 ccw(c360.02,3324.33) 360.02,3329.32 C82.1@343.93,3329.32
DW1000_RF_P: C83.1 U12.16 | length 154.7
  L01_SIG w4: U12.16@321.11,3236.52 cw(c321.11,3240.14) 317.48,3240.14 317.48,3271.55 cw(c336.08,3271.55) 336.08,3290.14 356.02,3290.14 ccw(c356.02,3307.63) 373.51,3307.63 373.51,3324.33 cw(c378.43,3324.33) 378.43,3329.25 C83.1@395,3329.25
DW1000_RSTn: R74.1 U12.27 | length 1236.4
  L01_SIG w6.8: v1(85,3185) 86.2,3183.8 94.21,3183.8 100.55,3177.47 U12.27@167.57,3177.47 ; v1(406.6,2206.6) 420.3,2220.3 R74.1@420.3,2239.97
  L05_SIG w3.6: v1(85,3185) 143.23,3126.77 143.23,2901.77 329,2716 329,2600 406.6,2522.4 v1(406.6,2206.6)
DW1000_SPICLK: R76.1 U12.41 | length 859.7
  L01_SIG w6.8: v1(205,2910) 258.12,2963.12 U12.41@258.12,3008.17 ; R76.1@499.76,2292.87 500,2292.87 v1(500,2325)
  L05_SIG w3.6: v1(205,2910) 361,2754 361,2626.48 470,2517.48 470,2355 v1(500,2325)
DW1000_SPICSn: R77.1 U12.24 | length 1313.6
  L01_SIG w6.8: v1(149.1,3260.48) 185.93,3260.48 195.12,3251.28 U12.24@195.12,3236.52 ; R77.1@499.76,2360 504.76,2355 v1(545,2355)
  L05_SIG w3.6: v1(149.1,3260.48) 346.52,3260.48 459,3148 459,2593 525,2527 525,2459 565,2419 565,2375 v1(545,2355)